# KiCad board KlusterLab r2.0.kicad_pcb (continued)
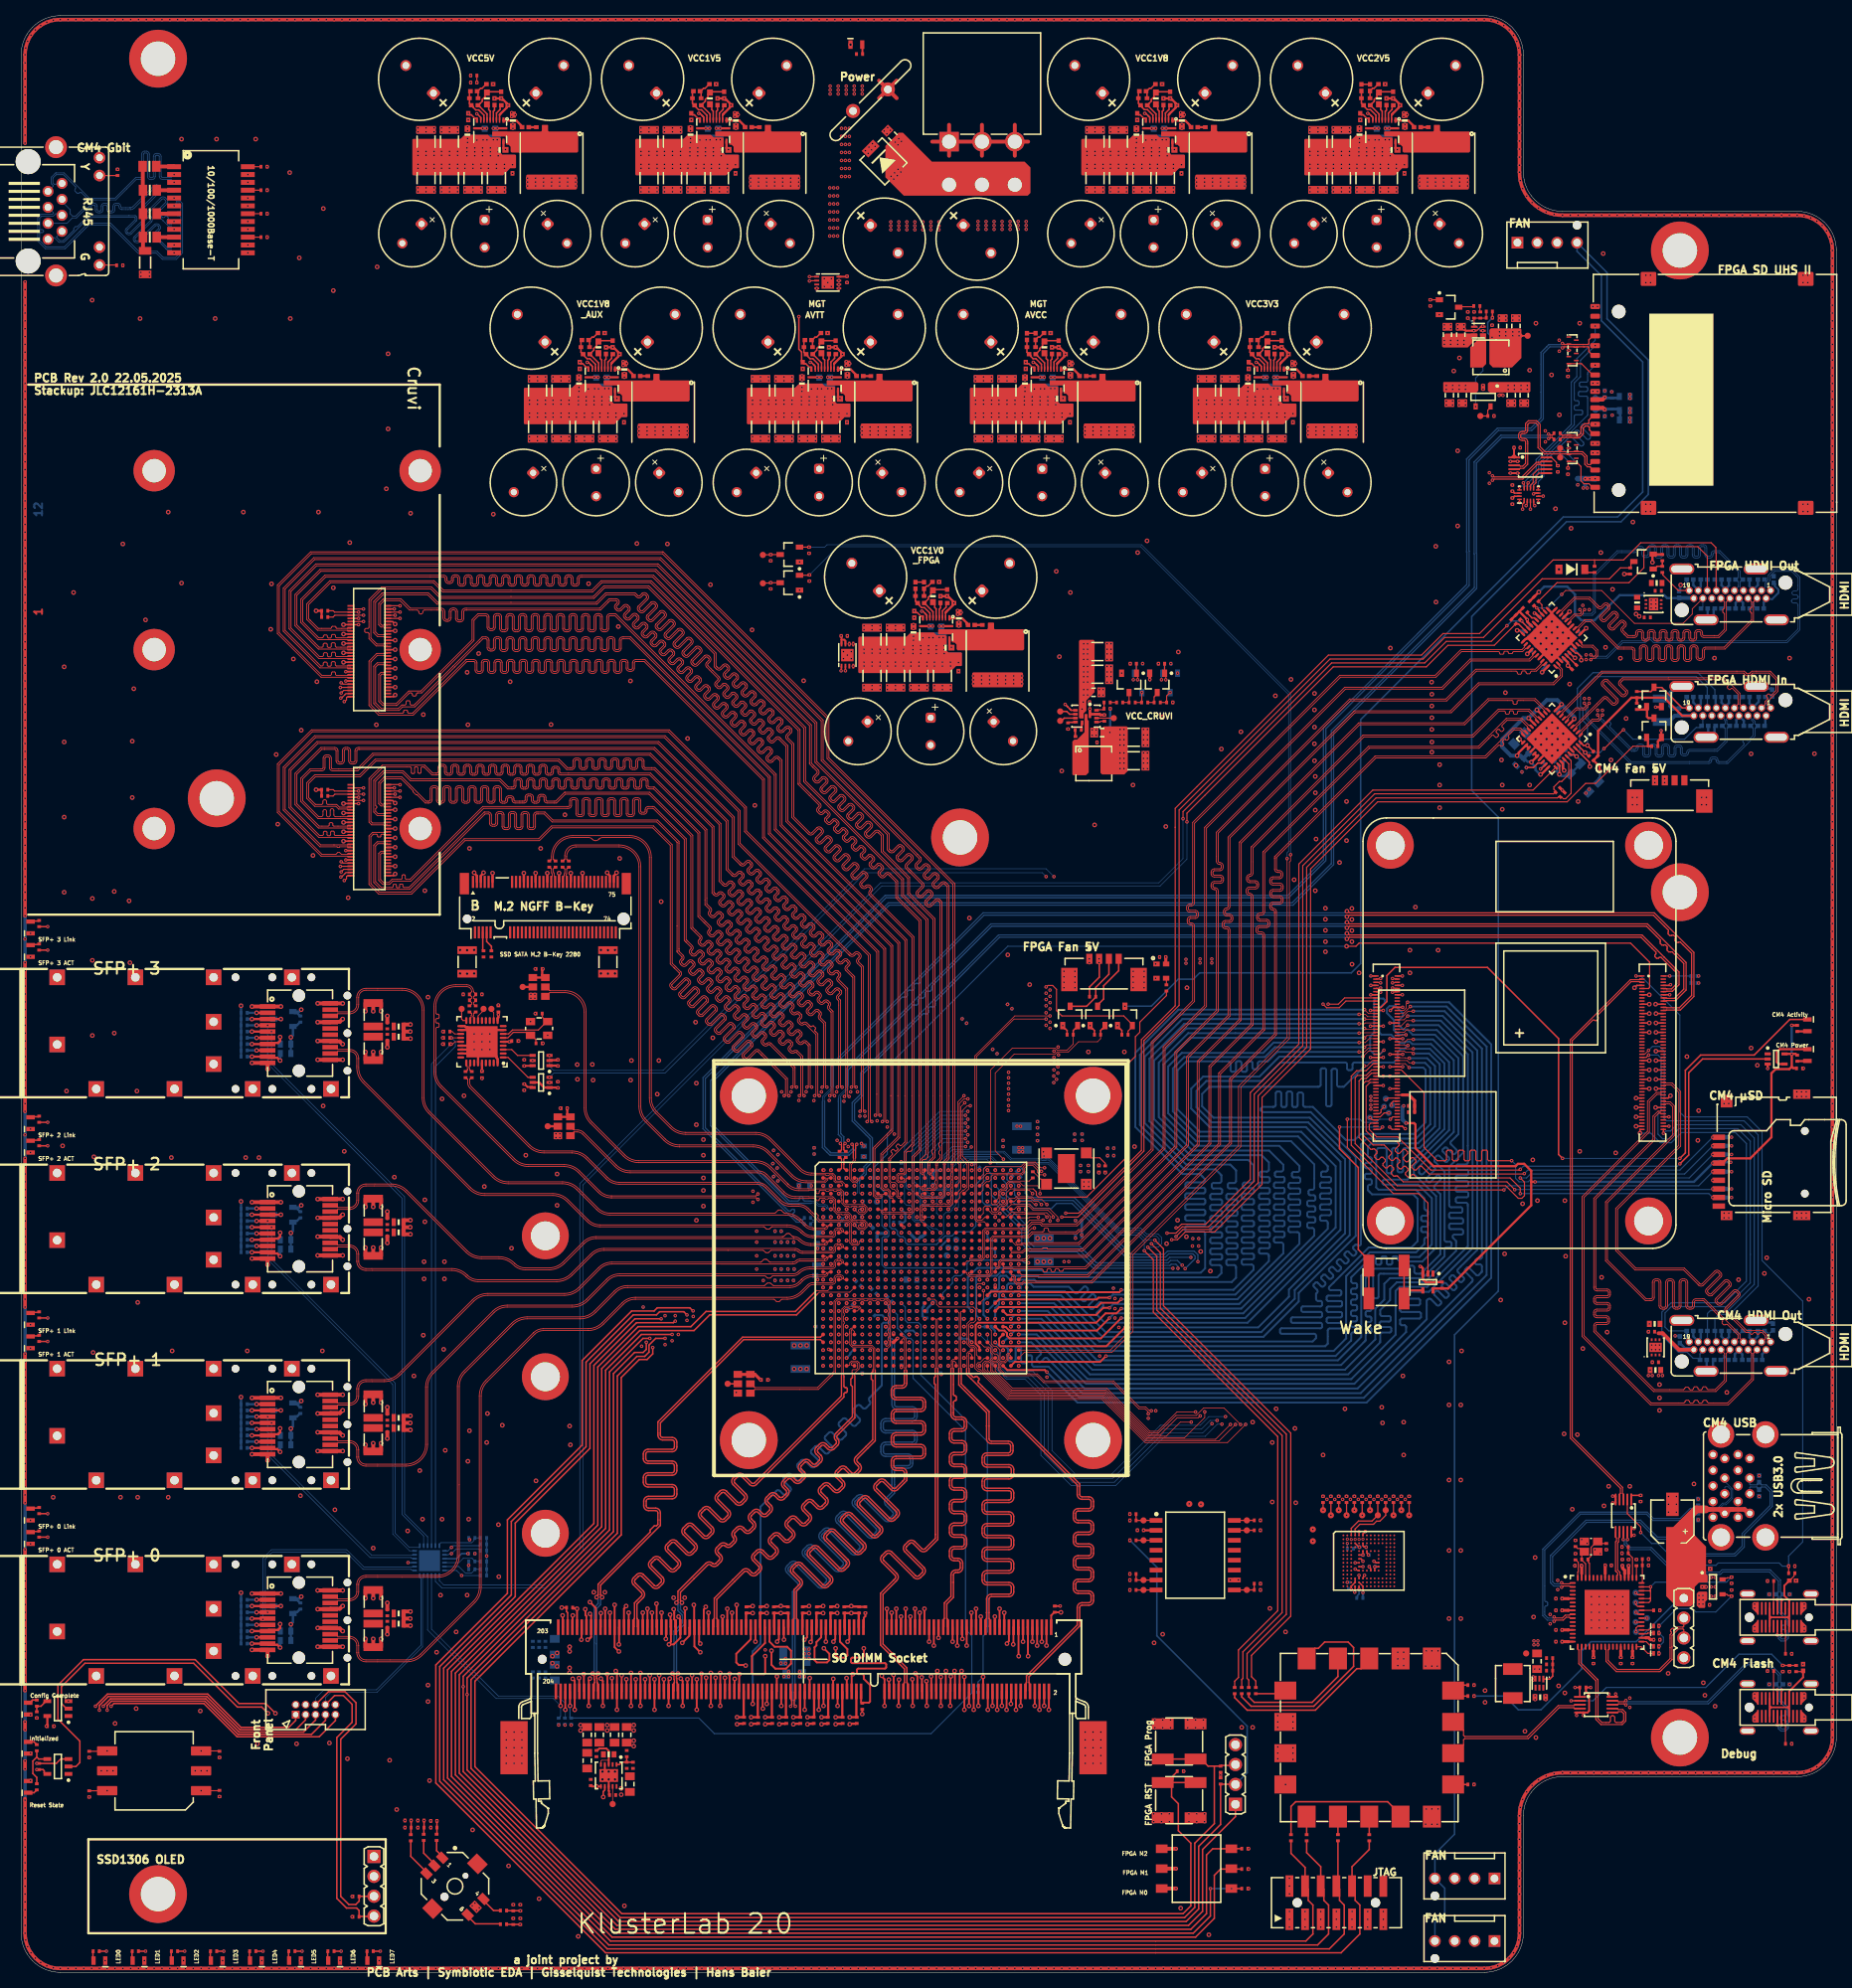
[diagram p0: board, top side]
## Placement (name value [footprint] x y rotation side) (continued)
C353  47µF 10V  [CAP_1210]  69 197.45 180 bottom
C354  47µF 10V  [CAP_1210]  66 197.45 180 bottom
C355  220nF 50V  [CAP_0603]  73.79 207.62 0 top
C356  470µF 16V  [WCAP-PTG5_D8H13]  64.2 190.35 45 top
C357  470µF 16V  [WCAP-PTG5_D8H13]  73.49 190.35 90 top
C358  470µF 16V  [WCAP-PTG5_D8H13]  82.78 190.35 135 top
C360  22µF 25V  [CAP_1210]  80.25 233.9 0 bottom
C361  22µF 25V  [CAP_1210]  83.25 233.9 0 bottom
C362  22µF 25V  [CAP_1210]  80.25 233.9 180 top
C363  22µF 25V  [CAP_1210]  83.25 233.9 180 top
C364  1µF 50V  [CAP_0603]  85.55 234.8 180 top
C365  1µF 50V  [CAP_0603]  87.75 234.8 0 bottom
C366  1µF 50V  [CAP_0603]  89.1 234.8 0 bottom
C367  1µF 50V  [CAP_0603]  91.35 236.6 0 top
C368  330µF 25V  [WCAP-PTG5_D10H12.5]  96.07 241.87 225 top
C369  330µF 25V  [WCAP-PTG5_D10H12.5]  79.43 241.87 315 top
C370  100nF 50V  [CAP_0402]  94.9 235.75 270 top
C371  100nF 50V  [CAP_0402]  91.3 230.4 0 top
C372  47µF 10V  [CAP_1210]  89.25 229.25 0 top
C373  47µF 10V  [CAP_1210]  86.25 229.25 0 top
C374  47µF 10V  [CAP_1210]  83.25 229.25 0 top
C375  47µF 10V  [CAP_1210]  80.25 229.25 0 top
C376  OPT  [CAP_0402]  86.35 239.45 270 top
C377  2.2µF 16V  [CAP_0603]  89.65 232.85 90 top
C378  47µF 10V  [CAP_1210]  89.25 229.25 180 bottom
C379  47µF 10V  [CAP_1210]  86.25 229.25 180 bottom
C380  47µF 10V  [CAP_1210]  83.25 229.25 180 bottom
C381  47µF 10V  [CAP_1210]  80.25 229.25 180 bottom
C382  220nF 50V  [CAP_0603]  88.04 239.43 0 top
C383  470µF 16V  [WCAP-PTG5_D8H13]  78.45 222.15 45 top
C384  470µF 16V  [WCAP-PTG5_D8H13]  87.74 222.15 90 top
C385  470µF 16V  [WCAP-PTG5_D8H13]  97.03 222.15 135 top
C387  22µF 25V  [CAP_1210]  94.5 202.1 0 bottom
C388  22µF 25V  [CAP_1210]  97.5 202.1 0 bottom
C389  22µF 25V  [CAP_1210]  94.5 202.1 180 top
C390  22µF 25V  [CAP_1210]  97.5 202.1 180 top
C391  1µF 50V  [CAP_0603#2]  99.8 203 180 top
C392  1µF 50V  [CAP_0603]  102 203 0 bottom
C393  1µF 50V  [CAP_0603]  103.4 203 0 bottom
C394  1µF 50V  [CAP_0603#2]  105.6 204.8 0 top
C395  330µF 25V  [WCAP-PTG5_D10H12.5]  110.32 210.07 225 top
C396  330µF 25V  [WCAP-PTG5_D10H12.5]  93.68 210.07 315 top
C397  100nF 50V  [CAP_0402]  109.15 203.95 270 top
C398  100nF 50V  [CAP_0402#2]  105.55 198.6 0 top
C399  47µF 10V  [CAP_1210]  103.5 197.45 0 top
C400  47µF 10V  [CAP_1210]  100.5 197.45 0 top
C401  47µF 10V  [CAP_1210]  97.5 197.45 0 top
C402  47µF 10V  [CAP_1210]  94.5 197.45 0 top
C403  OPT  [CAP_0402]  100.6 207.65 270 top
C404  2.2µF 16V  [CAP_0603]  103.9 201.05 90 top
C405  47µF 10V  [CAP_1210]  103.5 197.45 180 bottom
C406  47µF 10V  [CAP_1210]  100.5 197.45 180 bottom
C407  47µF 10V  [CAP_1210]  97.5 197.45 180 bottom
C408  47µF 10V  [CAP_1210]  94.5 197.45 180 bottom
C409  220nF 50V  [CAP_0603]  102.29 207.63 0 top
C410  470µF 16V  [WCAP-PTG5_D8H13#2]  92.7 190.35 45 top
C411  470µF 16V  [WCAP-PTG5_D8H13]  101.99 190.35 90 top
C412  470µF 16V  [WCAP-PTG5_D8H13]  111.28 190.35 135 top
C414  22µF 25V  [CAP_1210]  123 202.1 0 bottom
C415  22µF 25V  [CAP_1210]  126 202.1 0 bottom
C416  100nF 50V  [CAP_0402_L]  52.75 19.35 180 top
C417  100nF 50V  [CAP_0402_L]  49.45 19.4 180 top
C418  100nF 50V  [CAP_0402_L]  51.1 19.39 180 top
C419  100nF 50V  [CAP_0402_L]  63.8 8.25 90 top
C420  100nF 50V  [CAP_0402_L]  63.8 6.5 90 top
C421  1µF 35V  [CAP_0402_L]  110 87.5 0 bottom
C422  1µF 35V  [CAP_0402_L]  109.9 89.5 0 bottom
C423  22µF 25V  [CAP_1210]  123 202.1 180 top
C424  22µF 25V  [CAP_1210]  126 202.1 180 top
C425  1µF 50V  [CAP_0603]  128.3 203 180 top
C426  1µF 50V  [CAP_0603]  130.5 203 0 bottom
C427  1µF 50V  [CAP_0603]  131.85 203 0 bottom
C428  1µF 50V  [CAP_0603]  134.1 204.8 0 top
C429  330µF 25V  [WCAP-PTG5_D10H12.5]  138.82 210.07 225 top
C430  330µF 25V  [WCAP-PTG5_D10H12.5]  122.18 210.07 315 top
C431  100nF 50V  [CAP_0402]  137.65 203.95 270 top
C432  100nF 50V  [CAP_0402]  134.05 198.6 0 top
C433  47µF 10V  [CAP_1210]  132 197.45 0 top
C434  47µF 10V  [CAP_1210]  129 197.45 0 top
C435  47µF 10V  [CAP_1210]  126 197.45 0 top
C436  47µF 10V  [CAP_1210]  123 197.45 0 top
C437  OPT  [CAP_0402]  129.1 207.65 270 top
C438  2.2µF 16V  [CAP_0603]  132.4 201.05 90 top
C439  47µF 10V  [CAP_1210]  132 197.45 180 bottom
C440  47µF 10V  [CAP_1210]  129 197.45 180 bottom
C441  47µF 10V  [CAP_1210]  126 197.45 180 bottom
C442  47µF 10V  [CAP_1210]  123 197.45 180 bottom
C443  220nF 50V  [CAP_0603]  130.79 207.62 0 top
C444  470µF 16V  [WCAP-PTG5_D8H13]  121.2 190.35 45 top
C445  470µF 16V  [WCAP-PTG5_D8H13]  130.49 190.35 90 top
C446  470µF 16V  [WCAP-PTG5_D8H13]  139.78 190.35 135 top
C448  22µF 25V  [CAP_1210]  165.75 233.9 0 bottom
C449  22µF 25V  [CAP_1210]  168.75 233.9 0 bottom
C450  22µF 25V  [CAP_1210]  165.75 233.9 180 top
C451  22µF 25V  [CAP_1210]  168.75 233.9 180 top
C452  1µF 50V  [CAP_0603]  171.05 234.8 180 top
C453  1µF 50V  [CAP_0603#2]  173.25 234.8 0 bottom
C454  1µF 50V  [CAP_0603#2]  174.6 234.8 0 bottom
C455  1µF 50V  [CAP_0603]  176.85 236.6 0 top
C456  330µF 25V  [WCAP-PTG5_D10H12.5]  181.57 241.87 225 top
C457  330µF 25V  [WCAP-PTG5_D10H12.5]  164.93 241.87 315 top
C458  100nF 50V  [CAP_0402]  180.4 235.75 270 top
C459  100nF 50V  [CAP_0402]  176.8 230.4 0 top
C460  47µF 10V  [CAP_1210]  174.75 229.25 0 top
C461  47µF 10V  [CAP_1210]  171.75 229.25 0 top
C462  47µF 10V  [CAP_1210]  168.75 229.25 0 top
C463  47µF 10V  [CAP_1210]  165.75 229.25 0 top
C464  OPT  [CAP_0402]  171.85 239.45 270 top
C465  2.2µF 16V  [CAP_0603]  175.15 232.85 90 top
C466  47µF 10V  [CAP_1210]  174.75 229.25 180 bottom
C467  47µF 10V  [CAP_1210]  171.75 229.25 180 bottom
C468  47µF 10V  [CAP_1210]  168.75 229.25 180 bottom
C469  47µF 10V  [CAP_1210]  165.75 229.25 180 bottom
C470  220nF 50V  [CAP_0603]  173.54 239.43 0 top
C471  470µF 16V  [WCAP-PTG5_D8H13]  163.95 222.15 45 top
C472  470µF 16V  [WCAP-PTG5_D8H13]  173.24 222.15 90 top
C473  470µF 16V  [WCAP-PTG5_D8H13#2]  182.53 222.15 135 top
C475  22µF 25V  [CAP_1210]  151.5 202.1 0 bottom
C476  22µF 25V  [CAP_1210]  154.5 202.1 0 bottom
C477  22µF 25V  [CAP_1210]  151.5 202.1 180 top
C478  22µF 25V  [CAP_1210]  154.5 202.1 180 top
C479  1µF 50V  [CAP_0603]  156.8 203 180 top
C480  1µF 50V  [CAP_0603]  159 203 0 bottom
C481  1µF 50V  [CAP_0603]  160.35 203 0 bottom
C482  1µF 50V  [CAP_0603]  162.6 204.8 0 top
C483  330µF 25V  [WCAP-PTG5_D10H12.5]  167.32 210.07 225 top
C484  330µF 25V  [WCAP-PTG5_D10H12.5]  150.68 210.07 315 top
C485  100nF 50V  [CAP_0402]  166.15 203.95 270 top
C486  100nF 50V  [CAP_0402]  162.55 198.6 0 top
C487  47µF 10V  [CAP_1210]  160.5 197.45 0 top
C488  47µF 10V  [CAP_1210]  157.5 197.45 0 top
C489  47µF 10V  [CAP_1210]  154.5 197.45 0 top
C490  47µF 10V  [CAP_1210]  151.5 197.45 0 top
C491  OPT  [CAP_0402]  157.6 207.65 270 top
C492  2.2µF 16V  [CAP_0603]  160.9 201.05 90 top
C493  47µF 10V  [CAP_1210]  160.5 197.45 180 bottom
C494  47µF 10V  [CAP_1210]  157.5 197.45 180 bottom
C495  47µF 10V  [CAP_1210]  154.5 197.45 180 bottom
C496  47µF 10V  [CAP_1210]  151.5 197.45 180 bottom
C497  220nF 50V  [CAP_0603]  159.29 207.62 0 top
C498  470µF 16V  [WCAP-PTG5_D8H13]  149.7 190.35 45 top
C499  470µF 16V  [WCAP-PTG5_D8H13]  158.99 190.35 90 top
C500  470µF 16V  [WCAP-PTG5_D8H13]  168.28 190.35 135 top
C502  100nF 50V  [CAP_0402_L]  64.3 113.1 90 top
C503  100nF 50V  [CAP_0402_L]  68.6 113.4 270 top
C504  100nF 50V  [CAP_0402_L]  136.15 162.3 180 top
C505  1µF 50V  [CAP_0805]  137.05 163.55 270 top
C506  1µF 50V  [CAP_0805]  137.05 163.55 90 bottom
C507  22µF 25V  [CAP_1210]  137.55 165.85 270 top
C508  22µF 25V  [CAP_1210]  137.55 168.75 270 top
C509  22µF 25V  [CAP_1210]  137.55 168.75 90 bottom
C510  22µF 25V  [CAP_1210]  137.55 165.85 90 bottom
C511  100nF 50V  [CAP_0402_L]  135.1 158.75 0 top
C512  1µF 16V  [CAP_0402_L]  138.45 160.25 90 top
C513  100nF 50V  [CAP_0402_L]  137.9 157.15 0 top
C514  1µF 50V  [CAP_0805]  138.15 158.4 90 top
C515  1µF 50V  [CAP_0805]  138.15 158.4 270 bottom
C516  22µF 25V  [CAP_1210]  142.2 154.8 90 bottom
C517  22µF 25V  [CAP_1210]  142.2 154.8 270 top
C518  22µF 25V  [CAP_1210]  142.2 157.8 270 top
C519  22µF 25V  [CAP_1210]  142.2 157.8 90 bottom
C520  100nF 50V  [CAP_0402_L]  100.5 95.6 180 bottom
C521  100nF 50V  [CAP_0402_L]  100.5 96.4 180 bottom
C522  100nF 50V  [CAP_0402_L]  196.3 195.85 0 top
C523  100nF 50V  [CAP_0402_L]  196.3 196.65 0 top
C524  100nF 50V  [CAP_0402_L]  191.2 194.8 0 top
C525  100nF 50V  [CAP_0402_L]  190.59 187.98 270 top
C526  100nF 50V  [CAP_0402_L]  190.59 189.63 90 top
C527  100nF 50V  [CAP_0402_L]  198.95 190.45 270 bottom
C528  100nF 50V  [CAP_0402_L]  203.3 201.55 90 bottom
C529  100nF 50V  [CAP_0402_L]  203.35 199.35 270 bottom
C530  12pF 50V  [CAP_0402_L]  187.65 212.2 0 top
C531  22µF 16V  [CAP_0805]  182.3 209.25 0 top
C532  22µF 16V  [CAP_0805]  184 209.25 0 top
C533  100nF 50V  [CAP_0402_L]  188 210.06 90 top
C534  22µF 16V  [CAP_0805]  189.35 210.35 0 top
C535  22µF 16V  [CAP_0805]  191.05 210.35 0 top
C536  22µF 16V  [CAP_0805]  182.55 201.5 180 top
C537  22µF 16V  [CAP_0805]  184.2 201.5 180 top
C538  100nF 50V  [CAP_0402_L]  189.15 201.95 270 top
C539  22µF 16V  [CAP_0805]  190.45 201.5 180 top
C540  22µF 16V  [CAP_0805]  192.1 201.5 180 top
D1  LTST-S270KGKT  [LED-0603 Sideview]  228.3 121 270 top
D2  LTST-S270KRKT  [LED-0603 Sideview]  228.3 117.2 270 top
D3  CESDP0402UC5VB  [TVS_0402]  212 80.83 90 bottom
D4  CESDP0402UC5VB  [TVS_0402]  223.9 82.45 270 bottom
D5  CESDP0402UC5VB  [TVS_0402]  222.4 81.95 0 bottom
D6  CESDP0402UC5VB  [TVS_0402]  222.1 78.25 180 bottom
D7  CESDP0402UC5VB  [TVS_0402]  220.4 78.25 0 bottom
D8  CESDP0402UC5VB  [TVS_0402]  220.47 81.95 180 bottom
D9  CESDP0402UC5VB  [TVS_0402]  218.7 81.95 0 bottom
D10  CESDP0402UC5VB  [TVS_0402]  218.6 78.25 180 bottom
D11  CESDP0402UC5VB  [TVS_0402]  216.8 78.25 0 bottom
D12  CESDP0402UC5VB  [TVS_0402]  216.9 81.95 180 bottom
D13  CESDP0402UC5VB  [TVS_0402]  215.1 81.95 0 bottom
D14  CESDP0402UC5VB  [TVS_0402]  215 78.25 180 bottom
D15  CESDP0402UC5VB  [TVS_0402]  213.3 81.95 180 bottom
D16  CESDP0402UC5VB  [TVS_0402]  217.4 100.1 180 bottom
D17  CESDP0402UC5VB  [TVS_0402]  217.4 99 180 bottom
D18  CESDP0402UC5VB  [TVS_0402]  217.4 106.7 180 bottom
D19  CESDP0402UC5VB  [TVS_0402]  217.4 105.6 180 bottom
D20  CESDP0402UC5VB  [TVS_0402]  217.4 102.3 180 bottom
D21  CESDP0402UC5VB  [TVS_0402]  217.4 104.5 180 bottom
D22  CESDP0402UC5VB  [TVS_0402]  227.75 38.95 90 top
D23  CESDP0402UC5VB  [TVS_0402]  215.45 51.55 180 top
D24  CESDP0402UC5VB  [TVS_0402]  225.6 36.8 0 bottom
D25  CESDP0402UC5VB  [TVS_0402]  223.85 36.8 180 bottom
D26  CESDP0402UC5VB  [TVS_0402]  222.13 61.25 90 bottom
D27  CESDP0402UC5VB  [TVS_0402]  222.13 63.05 270 bottom
D28  CESDP0402UC5VB  [TVS_0402]  214.33 60.05 270 bottom
D29  LTST-S270KRKT  [LED-0603 Sideview]  0.9 23.7 90 top
D30  LTST-S270KGKT  [LED-0603 Sideview]  0.9 28.7 90 top
D31  LTST-S270TBKT  [LED-0603 Sideview]  0.9 33.7 90 top
D32  824014883  [WE-TVS-DFN3810-9L]  198.28 207.24 0 top
D33  CESDP0402UC5VB  [TVS_0402]  202.4 199.25 270 bottom
D34  CESDP0402UC5VB  [TVS_0402]  202.4 201.65 90 bottom
D35  CESDP0402UC5VB  [TVS_0402]  224 177.95 90 bottom
D36  CESDP0402UC5VB  [TVS_0402]  222.4 177.95 0 bottom
D37  BAT54GWJ  [SOD123]  198.2 179.25 180 top
D38  CESDP0402UC5VB  [TVS_0402]  222.3 174.25 180 bottom
D39  CESDP0402UC5VB  [TVS_0402]  220.5 174.25 0 bottom
D40  CESDP0402UC5VB  [TVS_0402]  220.47 177.95 180 bottom
D41  CESDP0402UC5VB  [TVS_0402]  218.7 177.95 0 bottom
D42  CESDP0402UC5VB  [TVS_0402]  218.7 174.25 180 bottom
D43  CESDP0402UC5VB  [TVS_0402]  216.9 174.25 0 bottom
D44  CESDP0402UC5VB  [TVS_0402]  216.9 177.95 180 bottom
D45  CESDP0402UC5VB  [TVS_0402]  215.1 177.95 0 bottom
D46  CESDP0402UC5VB  [TVS_0402]  215.12 174.25 180 bottom
D47  CESDP0402UC5VB  [TVS_0402]  213.3 177.95 180 bottom
D48  CESDP0402UC5VB  [TVS_0402]  211.9 176.05 90 bottom
D49  BAT54GWJ  [SOD123#2]  200.46 153.23 315 bottom
D50  BAT54GWJ  [SOD123#2]  199.19 151.96 315 bottom
D51  CESDP0402UC5VB  [TVS_0402]  211.9 161.05 270 bottom
D52  CESDP0402UC5VB  [TVS_0402]  223.8 163.45 270 bottom
D53  CESDP0402UC5VB  [TVS_0402]  222.5 162.95 0 bottom
D54  CESDP0402UC5VB  [TVS_0402]  222.4 159.25 180 bottom
D55  CESDP0402UC5VB  [TVS_0402]  220.6 159.25 0 bottom
D56  CESDP0402UC5VB  [TVS_0402]  220.47 162.95 180 bottom
D57  CESDP0402UC5VB  [TVS_0402]  218.7 162.95 0 bottom
D58  CESDP0402UC5VB  [TVS_0402]  218.8 159.25 180 bottom
D59  CESDP0402UC5VB  [TVS_0402]  217 159.25 0 bottom
D60  CESDP0402UC5VB  [TVS_0402]  216.9 162.95 180 bottom
D61  CESDP0402UC5VB  [TVS_0402]  215.1 162.95 0 bottom
D62  CESDP0402UC5VB  [TVS_0402]  215.2 159.25 180 bottom
D63  CESDP0402UC5VB  [TVS_0402]  213.3 162.95 180 bottom
D64  LTST-S270KRKT  [LED-0603 Sideview]  10 1.5 180 top
D65  LTST-S270KRKT  [LED-0603 Sideview]  15 1.5 180 top
D66  LTST-S270KRKT  [LED-0603 Sideview]  20 1.5 180 top
D67  LTST-S270KRKT  [LED-0603 Sideview]  25 1.5 180 top
D68  LTST-S270KRKT  [LED-0603 Sideview]  30 1.5 180 top
D69  LTST-S270KRKT  [LED-0603 Sideview]  35 1.5 180 top
D70  LTST-S270KRKT  [LED-0603 Sideview]  40 1.5 180 top
D71  LTST-S270KRKT  [LED-0603 Sideview]  45 1.5 180 top
D72  SMB15F18A  [DO221-AA]  110.22 231.38 315 top
D73  LTST-S270TBKT  [LED-0603 Sideview]  106.75 246.3 0 top
D74  CESDP0402UC5VB  [TVS_0402]  214.33 58.25 90 bottom
D75  CESDP0402UC5VB  [TVS_0402]  226.43 50.05 0 top
D76  CESDP0402UC5VB  [TVS_0402]  225.6 48.3 0 bottom
D77  RB160QS-40  [SOD-882]  208.98 44.25 90 top
D78  RB160QS-40  [SOD-882]  208.98 43.35 90 top
D79  RB160QS-40  [SOD-882]  208.98 41.65 90 top
D80  RB160QS-40  [SOD-882]  208.98 40.75 90 top
D81  CESDP0402UC5VB  [TVS_0402]  223.85 48.3 180 bottom
D82  CESDP0402UC5VB  [TVS_0402]  199.9 190.4 270 bottom
D83  824014883  [WE-TVS-DFN3810-9L]  198.28 194.75 0 top
D138  LTST-S270KGKT  [LED-0603 Sideview]  1.2 58.5 90 top
D139  LTST-S270KFKT  [LED-0603 Sideview]  1.2 55.5 90 top
D140  LTST-S270KGKT  [LED-0603 Sideview#2]  1.2 83.5 90 top
D141  LTST-S270KFKT  [LED-0603 Sideview#2]  1.2 80.5 90 top
D142  LTST-S270KGKT  [LED-0603 Sideview]  1.2 108.5 90 top
D143  LTST-S270KFKT  [LED-0603 Sideview#2]  1.2 105.5 90 top
D144  LTST-S270KGKT  [LED-0603 Sideview]  1.2 133.5 90 top
D145  LTST-S270KFKT  [LED-0603 Sideview]  1.2 130.5 90 top
F1  0ZRB0400FF1A  [0ZRB0400FF]  108.55 239.2 225 top
H1  -  [9774065151R]  67 56.1 270 top
H2  -  [9774030151R]  175 96 0 top
H3  -  [9774030151R]  208 96 0 top
H4  -  [9774030151R]  175 144 0 top
H5  -  [9774030151R]  208 144 0 top
H6  -  [9774070360R]  25 150 180 bottom
H7  -  [9774070360R]  212 220 180 bottom
H8  -  [9774070360R]  17.5 244.5 180 bottom
H9  -  [9774070360R]  212 30 180 bottom
H10  -  [9774050243R]  51 169 180 top
H11  -  [9774050243R]  51 146.14 180 top
H12  -  [9774050243R]  17 146.14 0 top
H13  -  [9774050243R]  17 169 0 top
H14  -  [9774050243R]  51 191.86 0 top
H15  -  [9774050243R]  17 191.86 0 top
H16  -  [9774020360R]  137 112 0 top
H17  -  [9774020360R]  93 112 0 top
H18  -  [9774020360R]  137 68 0 top
H19  -  [9774020360R]  93 68 0 top
H20  -  [9774065151R]  67 76.1 0 top
H21  -  [9774065151R]  67 94.1 0 top
H22  -  [9774070360R]  212 138 180 bottom
H23  -  [9774070360R]  120 145 180 bottom
H24  -  [9774070360R]  17.5 10 180 bottom
HS1  Heatsink Assembly 52.65x52.65x24.5mm  [ATS-61500W-C2-R0]  114.9 89.75 0 top
J1  -  [2-2013310-1]  100 40 0 top
J2  -  [74441-0010]  35.5 45 270 top
J3  -  [74441-0010]  35.5 70 270 top
J4  -  [74441-0010]  35.5 95 270 top
J5  -  [74441-0010]  35.5 120 270 top
J6  APCI0161  [APCI0161-P001A]  67 136.1 0 top
J7  Hirose Hirose DF40HC(3.0)-100DS-0.4V  [Hirose DF40HC(3.0)-100DS-0.4V_1-100]  174.5 117.5 270 top
J8  Hirose DF40HC(3.0)-100DS-0.4V PiMC4 Pin 101-200  [Hirose DF40HC(3.0)-100DS-0.4V_101-200]  208.5 117.5 270 top
J9  -  [UEA1112C-8FS6-4F]  222.93 62.15 90 top
J10  53398-0476  [Molex 53398-0476]  210.7 150.4 180 top
J11  EB-500-6007  [Elecbee EB-500-6007#2]  218.4 80.05 0 top
J12  -  [TF-115]  224.48 104.45 90 top
J13  USB4200-03-A  [GCT_USB4200-03-A#2]  224.7 33.86 90 top
J14  USB4200-03-A  [GCT_USB4200-03-A]  224.7 45.36 90 top
J15  4-Pin THT Pin header  [61300411121]  212.5 43.99 270 top
J16  53398-0476  [Molex 53398-0476]  138.4 127.6 180 top
J17  4-Pin THT Pin header  [61300411121]  155.2 25.28 90 top
J18  Box Pinheader, 14 Pin, THT, Straight  [87832-1420]  168.1 8.9 0 top
J19  Amphenol / GSD2100107BHR / SD-Card UHS-II / Side Entry / Push-Push  [Amphenol_GSD2100107BHR]  218.04 201.74 90 top
J21  -  [SS4-30-3.50-L-D-K-TR]  44.5 169 90 top
J23  EB-500-6007  [Elecbee EB-500-6007]  218.4 176.05 0 top
J24  EB-500-6007  [Elecbee EB-500-6007#3]  218.4 161.05 0 top
J25  4-Pin THT Pin header  [61300411121]  45.1 11 270 top
J26  87427-0602  [Molex 87427-0602]  122.8 236.95 270 top
J27  -  [SS4-30-3.50-L-D-K-TR]  44.5 146.14 90 top
J28  Pinheader, 10 Pin, THT, Straight  [62701021621]  37.63 33.57 180 top
J29  -  [PINREX 744-81-04TG20]  184.5 12 0 top
J30  -  [PINREX 744-81-04TG20]  184.5 4 0 top
J31  -  [PINREX 744-81-04TG20]  195.05 221 180 top
J34  R-RJ45R08P-C000  [Ckmtw - R-RJ45R08P-C000]  3.15 225 270 top
L1  BLM18SG121TN1D  [L_0603]  48.25 44.55 90 top
L2  BLM18SG121TN1D  [L_0603]  48.25 45.85 90 top
L3  BLM18SG121TN1D  [L_0603]  48.25 69.55 90 top
L4  BLM18SG121TN1D  [L_0603]  48.25 70.85 90 top
L5  BLM18SG121TN1D  [L_0603]  48.25 94.55 90 top
L6  BLM18SG121TN1D  [L_0603]  48.25 95.85 90 top
L7  BLM18SG121TN1D  [L_0603]  48.25 119.55 90 top
L8  BLM18SG121TN1D  [L_0603]  48.25 120.85 90 top
L9  FXL0420-1R0-M  [FXL0420-1R0-M#2]  190.65 36.9 270 top
L10  XAL7070-801MEC  [COILCRAFT_XAL7070]  124.8 167.55 270 top
L11  XAL7070-801MEC  [COILCRAFT_XAL7070]  67.8 231.15 270 top
L12  XAL7070-801MEC  [COILCRAFT_XAL7070]  153.3 231.15 270 top
L13  BLM18SG121TN1D  [L_0603]  191.5 154.65 135 bottom
L14  XAL7070-801MEC  [COILCRAFT_XAL7070]  82.05 199.35 270 top
L15  XAL7070-801MEC  [COILCRAFT_XAL7070]  96.3 231.15 270 top
L16  XAL7070-801MEC  [COILCRAFT_XAL7070]  110.55 199.35 270 top
L17  XAL7070-801MEC  [COILCRAFT_XAL7070]  139.05 199.35 270 top
L18  XAL7070-801MEC  [COILCRAFT_XAL7070]  181.8 231.15 270 top
L19  XAL7070-801MEC  [COILCRAFT_XAL7070]  167.55 199.35 270 top
L20  FXL0420-1R0-M  [FXL0420-1R0-M#2]  137.1 154.45 0 top
L21  -  [FXL0420-1R0-M]  187.85 206.35 180 top
M1  -  [2007198-1]  35.5 45 270 top
M2  2007198-1  [2007198-1#2]  35.5 70 270 top
M3  2007198-1  [2007198-1#3]  35.5 95 270 top
M4  2007198-1  [2007198-1#3]  35.5 120 270 top
NT1  Net Tie  [Net Tie-0.3]  158.14 205.57 135 top
NT2  Net Tie  [Net Tie-0.3]  172.39 237.37 135 top
NT3  Net Tie  [Net Tie-0.3]  143.89 237.37 135 top
NT4  Net Tie  [Net Tie-0.3]  72.64 205.57 135 top
NT5  Net Tie  [Net Tie-0.3]  86.89 237.37 135 top
NT6  Net Tie  [Net Tie-0.3]  101.14 205.57 135 top
NT7  Net Tie  [Net Tie-0.3]  129.64 205.57 135 top
NT8  Net Tie  [Net Tie-0.3]  115.39 173.77 135 top
NT9  Net Tie  [Net Tie-0.3]  133.9 161.55 135 top
PC1  RPiCM4  [RASPBERRYPI_CM4]  191.5 120 90 top
Q1  RUC002N05T116  [SOT95P251X112-3N]  33.5 46.8 180 bottom
Q2  RUC002N05T116  [SOT95P251X112-3N#2]  33.5 71.8 180 bottom
Q3  RUC002N05T116  [SOT95P251X112-3N#2]  33.5 96.8 180 bottom
Q4  RUC002N05T116  [SOT95P251X112-3N]  33.5 121.8 180 bottom
Q5  RUC002N05T116  [SOT95P251X112-3N#2]  98.25 177.55 180 top
Q6  RUC002N05T116  [SOT95P251X112-3N]  98.25 181.15 180 top
Q7  RUC002N05T116  [SOT95P251X112-3N#2]  134.08 122.2 90 top
Q8  RUC002N05T116  [SOT95P251X112-3N#2]  137.58 122.2 90 top
Q9  2N7002NXAKR  [SOT95P251X112-3N]  207.36 180.25 180 top
Q10  2N7002NXAKR  [SOT95P251X112-3N]  208.7 159.02 90 top
Q11  2N7002NXAKR  [SOT95P251X112-3N]  208.7 162.95 90 top
Q12  RUC002N05T116  [SOT95P251X112-3N]  141.08 122.2 90 top
Q13  RUC002N05T116  [SOT95P251X112-3N]  141.6 164.75 270 top
Q14  RUC002N05T116  [SOT95P251X112-3N#2]  143.25 164.75 270 bottom
Q15  RUC002N05T116  [SOT95P251X112-3N]  145.2 164.75 270 top
Q16  RUC002N05T116  [SOT95P251X112-3N]  146.85 164.75 270 bottom
Q17  RUC002N05T116  [SOT95P251X112-3N]  182.5 212.75 0 top
R1  80.6R 1%  [RES_0402_L]  114 84.5 180 bottom
R2  1.07k 1%  [RES_0402_L]  77.4 27.95 270 top
R3  80.6R 1%  [RES_0402_L]  115 85.5 0 bottom
R4  1.07k 1%  [RES_0402_L]  77.4 26.45 90 top
R5  80.6R 1%  [RES_0402_L]  113.5 86 90 bottom
R6  80.6R 1%  [RES_0402_L]  111 86 315 bottom
R7  80.6R 1%  [RES_0402_L]  109 87 315 bottom
R8  80.6R 1%  [RES_0402_L]  105 86.5 180 bottom
R9  100R 1%  [RES_0402_L]  110.5 80 90 bottom
R10  4.7k 1%  [RES_0402_L]  107.9 46.3 270 top
R11  4.7k 1%  [RES_0402_L]  107.5 34 90 top
R12  4.7k 1%  [RES_0402_L]  69.5 32.1 270 bottom
R13  4.7k 1%  [RES_0402_L]  68.7 32.1 270 bottom
R14  4.7k 1%  [RES_0402_L]  70.3 32.1 270 bottom
R15  4.7k 1%  [RES_0402_L]  122.3 36.2 270 bottom
R16  100R 1%  [RES_0402_L]  107 91.5 180 bottom
R17  100R 1%  [RES_0402_L]  107 93.5 180 bottom
R18  100R 1%  [RES_0402_L]  107 97.5 180 bottom
R19  100R 1%  [RES_0402_L]  107 95.5 180 bottom
R20  4.7k 1%  [RES_0402_L]  28.5 47.6 180 bottom
R21  4.7k 1%  [RES_0402_L]  28.5 46.8 180 bottom
R22  4.7k 1%  [RES_0402_L]  28.5 46 180 bottom
R23  4.7k 1%  [RES_0402_L]  28.5 45.2 180 bottom
R24  4.7k 1%  [RES_0402_L]  28.5 44.4 180 bottom
R25  4.7k 1%  [RES_0402_L]  28.5 43.6 180 bottom
R26  0R Jumper  [RES_0603_L]  33.8 43.6 0 bottom
R27  0R Jumper  [RES_0603_L]  33.8 42.4 0 bottom
R28  4.7k 1%  [RES_0402_L]  35.7 46.8 90 bottom
R29  4.7k 1%  [RES_0402_L]  28.5 42 180 bottom
R30  4.7k 1%  [RES_0402_L]  28.5 42.8 180 bottom
R31  4.7k 1%  [RES_0402_L]  28.5 72.6 180 bottom
R32  4.7k 1%  [RES_0402_L]  28.5 71.8 180 bottom
R33  4.7k 1%  [RES_0402_L]  28.5 71 180 bottom
R34  4.7k 1%  [RES_0402_L]  28.5 70.2 180 bottom
R35  4.7k 1%  [RES_0402_L]  28.5 69.4 180 bottom
R36  4.7k 1%  [RES_0402_L]  28.5 68.6 180 bottom
R37  0R Jumper  [RES_0603_L]  33.8 68.6 0 bottom
R38  0R Jumper  [RES_0603_L]  33.8 67.4 0 bottom
R39  4.7k 1%  [RES_0402_L]  35.7 71.8 90 bottom
R40  4.7k 1%  [RES_0402_L]  28.5 67 180 bottom
R41  4.7k 1%  [RES_0402_L]  28.5 67.8 180 bottom
R42  4.7k 1%  [RES_0402_L]  28.5 97.6 180 bottom
R43  4.7k 1%  [RES_0402_L]  28.5 96.8 180 bottom
R44  4.7k 1%  [RES_0402_L]  28.5 96 180 bottom
R45  4.7k 1%  [RES_0402_L]  28.5 95.2 180 bottom
R46  4.7k 1%  [RES_0402_L]  28.5 94.4 180 bottom
R47  4.7k 1%  [RES_0402_L]  28.5 93.6 180 bottom
R48  0R Jumper  [RES_0603_L]  33.8 93.6 0 bottom
R49  0R Jumper  [RES_0603_L]  33.8 92.4 0 bottom
R50  4.7k 1%  [RES_0402_L]  35.7 96.8 90 bottom
R51  4.7k 1%  [RES_0402_L]  28.5 92 180 bottom
R52  4.7k 1%  [RES_0402_L]  28.5 92.8 180 bottom
R53  4.7k 1%  [RES_0402_L]  28.5 122.6 180 bottom
R54  4.7k 1%  [RES_0402_L]  28.5 121.8 180 bottom
R55  4.7k 1%  [RES_0402_L]  28.5 121 180 bottom
R56  4.7k 1%  [RES_0402_L]  28.5 120.2 180 bottom
R57  4.7k 1%  [RES_0402_L]  28.5 119.4 180 bottom
R58  4.7k 1%  [RES_0402_L]  28.5 118.6 180 bottom
R59  0R Jumper  [RES_0603_L]  33.8 118.6 0 bottom
R60  0R Jumper  [RES_0603_L]  33.8 117.4 0 bottom
R61  4.7k 1%  [RES_0402_L]  35.7 121.8 90 bottom
R62  4.7k 1%  [RES_0402_L]  28.5 117 180 bottom
R63  4.7k 1%  [RES_0402_L]  28.5 117.8 180 bottom
R64  47k 1%  [RES_0402_L]  59.1 130.13 90 top
R65  47k 1%  [RES_0402_L]  60.1 130.13 90 top
R66  0R Jumper  [RES_0402_L]  177.7 110.7 0 top
R67  0R Jumper  [RES_0402_L]  177.7 109.9 0 top
R68  10k 1%  [RES_0402_L]  207.6 52.8 180 top
R69  0R Jumper  [RES_0402_L]  213.8 127.3 0 bottom
R70  0R Jumper  [RES_0402_L]  213.8 126.4 0 bottom
R71  1k 1%  [RES_0402_L]  227 120.6 90 top
R72  1k 1%  [RES_0402_L]  227 116.8 90 top
R73  90.9k 1%  [RES_0402_L]  207.6 52 0 top
R74  10k 1%  [RES_0402_L]  209.05 46.25 180 top
R75  10k 1%  [RES_0402_L]  205 53.55 180 top
R76  75R 1%  [RES_0805]  16.45 221.7 180 top
R77  75R 1%  [RES_0805]  16.45 224.7 180 top
R78  9.53k 1%  [RES_0402_L]  198.65 53.1 270 top
R79  15k 1%  [RES_0402_L]  195.35 40.15 180 top
R80  10k 1%  [RES_0402_L]  206.45 52.35 270 top
R81  18k 1%  [RES_0402_L]  195.35 38.55 0 top
R82  1M 1%  [RES_0402_L]  199.85 52.75 180 top
R83  5.62k 1%  [RES_0402_L]  226.86 38.82 90 top
R84  10k 1%  [RES_0402_L]  225.16 38.82 90 top
R85  5.1k 1%  [RES_0402_L]  223.6 38.5 0 top
R86  4.7k 1%  [RES_0402_L]  218.6 48.45 270 top
R87  1.6k 1%  [RES_0402_L]  95.8 177.15 270 top
R88  1.6k 1%  [RES_0402_L]  100.75 178.15 270 top
R89  1.6k 1%  [RES_0402_L]  95.8 180.74 270 top
R90  1.6k 1%  [RES_0402_L]  100.7 181.7 270 top
R91  10k 1%  [RES_0402_L]  134.08 119.8 180 top
R92  10k 1%  [RES_0402_L]  136.95 124.65 180 top
R93  10k 1%  [RES_0402_L]  137.58 119.8 180 top
R94  4.7k 1%  [RES_0402_L]  153.3 24.45 270 top
R95  4.7k 1%  [RES_0402_L]  153.3 25.95 90 top
R96  0R Jumper  [RES_0402_L]  185.3 24 180 top
R97  22R 1%  [RES_0402_L]  164.3 17.2 90 top
R98  4.7k 1%  [RES_0402_L]  185.3 35.3 0 top
R99  22R 1%  [RES_0402_L]  168.3 17.21 90 top
R100  22R 1%  [RES_0402_L]  172.3 17.2 90 top
R101  22R 1%  [RES_0402_L]  162.3 17.2 90 top
R102  10k 1%  [RES_0402_L]  185.3 36.7 180 top
R103  0R Jumper  [RES_0402_L]  138.55 102.64 90 top
R104  0R Jumper  [RES_0402_L]  129.3 101.9 270 top
R105  4.7k 1%  [RES_0402_L]  148.15 25.7 180 top
R106  270R 1%  [RES_0402_L]  2 23.7 270 top
R107  360R 1%  [RES_0402_L]  2 32.9 270 top
R108  270R 1%  [RES_0402_L]  2 28.7 90 top
R109  100R 1%  [RES_0402_L]  2 34.4 270 top
R110  1k 1%  [RES_0402_L]  156.4 15.8 180 top
R111  1k 1%  [RES_0402_L]  156.4 13.2 180 top
R112  1k 1%  [RES_0402_L]  156.4 10.7 180 top
R113  1k 1%  [RES_0402_L]  155.1 36 90 top
R114  1k 1%  [RES_0402_L]  156.9 36 90 top
R115  1k 1%  [RES_0402_L]  156 36 90 top
R116  1k 1%  [RES_0402_L]  157.8 36 90 top
R117  49.9R 1%  [RES_0402_L]  128 101.92 45 bottom
R118  0R Jumper  [RES_0402_L]  142.1 55.2 180 top
R119  0R Jumper  [RES_0402_L]  173.4 60.43 270 top
R120  0R Jumper  [RES_0402_L]  174.4 60.43 270 top
R121  0R Jumper  [RES_0402_L]  172.4 60.43 270 top
R122  0R Jumper  [RES_0402_L]  175.4 60.43 270 top
R123  0R Jumper  [RES_0402_L]  171.4 60.43 270 top
R124  0R Jumper  [RES_0402_L]  176.4 60.43 270 top
R125  0R Jumper  [RES_0402_L]  170.4 60.43 270 top
R126  0R Jumper  [RES_0402_L]  177.4 60.43 270 top
R127  0R Jumper  [RES_0402_L]  166.4 60.43 270 top
R128  0R Jumper  [RES_0402_L]  167.4 60.43 270 top
R129  0R Jumper  [RES_0402_L]  169.4 60.43 270 top
R130  0R Jumper  [RES_0402_L]  168.4 60.43 270 top
R131  75R 1%  [RES_0805]  16.45 227.7 180 top
R132  5.1k 1%  [RES_0402_L]  225.9 29.2 180 top
R133  4.7k 1%  [RES_0402_L]  218.6 50.1 90 top
R134  2.2k 1%  [RES_0402_L]  226.3 51 180 top
R135  2.2k 1%  [RES_0402_L]  226.3 51.9 180 top
R136  5.1k 1%  [RES_0402_L]  223.6 50 0 top
R137  110R 1%  [RES_0402_L]  12.33 229.98 270 top
R138  5.1k 1%  [RES_0402_L]  225.9 40.7 180 top
R139  4.7k 1%  [RES_0402_L]  142.1 50.9 180 top
R140  4.7k 1%  [RES_0402_L]  142.1 58.55 180 top
R141  4.7k 1%  [RES_0402_L]  158 49.66 0 top
R142  0R Jumper  [RES_0402_L]  158 56.48 180 top
R143  0R Jumper  [RES_0402_L]  142.1 48.85 0 top
R144  0R Jumper  [RES_0402_L]  158 48.86 180 top
R145  0R Jumper  [RES_0402_L]  142.1 57.74 0 top
R146  0R Jumper  [RES_0402_L]  158 57.75 180 top
R147  0R Jumper  [RES_0402_L]  142.1 50.12 0 top
R148  0R Jumper  [RES_0402_L]  146.38 125.78 270 top
R149  110R 1%  [RES_0402_L]  12.6 218.1 180 top
R150  75R 1%  [RES_0805]  16.4 230.75 180 top
R151  30.1k 1%  [RES_0402_L]  201.1 179.25 90 top
R152  4.64k 1%  [RES_0402_L]  192.43 171.01 135 bottom
R153  1.6k 1%  [RES_0402_L]  193.64 175.46 135 top
R154  1.6k 1%  [RES_0402_L]  193.07 174.9 135 top
R155  10k 1%  [RES_0402_L]  205.66 179.05 270 top
R156  10k 1%  [RES_0402_L]  198.16 169.38 315 bottom
R157  10k 1%  [RES_0402_L]  197.6 168.82 315 bottom
R158  1.6k 1%  [RES_0402_L]  190.74 172.56 315 top
R159  1.6k 1%  [RES_0402_L]  191.3 173.13 315 top
R160  10k 1%  [RES_0402_L]  198.5 166.75 45 top
R161  100k 1%  [RES_0402_L]  209.76 180.75 270 top
R162  100k 1%  [RES_0402_L]  209.76 179.25 270 top
R163  10k 1%  [RES_0402_L]  192.22 174.05 315 top
R164  47k 1%  [RES_0402_L]  192.1 153.65 45 bottom
R165  47k 1%  [RES_0402_L]  195.01 154.71 225 bottom
R166  47k 1%  [RES_0402_L]  201.24 155.7 315 top
R167  47k 1%  [RES_0402_L]  200.67 155.14 315 top
R168  1.6k 1%  [RES_0402_L]  197 150.45 45 top
R169  1.6k 1%  [RES_0402_L]  196.4 151.05 45 top
R170  47k 1%  [RES_0402_L]  208.8 156.65 180 top
R171  47k 1%  [RES_0402_L]  206.5 161.75 90 top
R172  1.6k 1%  [RES_0402_L]  206.5 163.25 270 top
R173  1.6k 1%  [RES_0402_L]  42.8 9.7 180 top
R174  1.6k 1%  [RES_0402_L]  42.8 7.1 180 top
R175  10k 1%  [RES_0402_L]  52.75 18.5 180 top
R176  4.7k 1%  [RES_0402_L]  25.35 22.85 90 top
R177  4.7k 1%  [RES_0402_L]  8.7 27.85 90 top
R178  1k 1%  [RES_0402_L]  53.1 17.25 270 top
R179  10k 1%  [RES_0402_L]  49.45 18.5 180 top
R180  10k 1%  [RES_0402_L]  51.1 18.49 180 top
R181  4.7k 1%  [RES_0402_L]  25.35 27.85 90 top
R182  4.7k 1%  [RES_0402_L]  8.7 22.8 90 top
R183  10k 1%  [RES_0402_L]  62.9 8.25 90 top
R184  1k 1%  [RES_0402_L]  49.8 17.2 270 top
R185  1k 1%  [RES_0402_L]  51.45 17.24 270 top
R186  1k 1%  [RES_0402_L]  61.65 7.9 180 top
R187  10k 1%  [RES_0402_L]  62.9 6.5 90 top
R188  1k 1%  [RES_0402_L]  61.65 6.15 180 top
R189  200R 1%  [RES_0402_L]  9.6 2.7 0 top
R190  200R 1%  [RES_0402_L]  14.6 2.7 0 top
R191  200R 1%  [RES_0402_L]  19.6 2.7 0 top
R192  200R 1%  [RES_0402_L]  24.6 2.7 0 top
R193  200R 1%  [RES_0402_L]  29.61 2.7 0 top
R194  200R 1%  [RES_0402_L]  34.6 2.7 0 top
R195  200R 1%  [RES_0402_L]  39.6 2.7 0 top
R196  200R 1%  [RES_0402_L]  44.61 2.7 0 top
R197  1.6k 1%  [RES_0402_L]  59.1 53.9 0 bottom
R198  1.6k 1%  [RES_0402_L]  59.1 54.7 0 bottom
R199  1.6k 1%  [RES_0402_L]  59.1 50.7 0 bottom
R200  0R Jumper  [RES_0402_L]  59.1 52.5 0 bottom
R201  0R Jumper  [RES_0402_L]  59.1 51.5 0 bottom
R202  0R Jumper  [RES_0402_L]  59.1 55.5 0 bottom
R203  0R Jumper  [RES_0402_L]  57.6 52.5 0 bottom
R204  0R Jumper  [RES_0402_L]  57.6 51.5 0 bottom
R205  0R Jumper  [RES_0402_L]  57.6 55.5 0 bottom
R206  100R 1%  [RES_0402_L]  57.7 124.2 180 top
R207  1k 1%  [RES_0402]  114.3 177.2 90 top
R208  1.6k 1%  [RES_0402_L]  54.4 118.6 180 top
R209  1.6k 1%  [RES_0402_L]  54.4 119.4 180 top
R210  110R 1%  [RES_0402]  115.4 177.2 270 top
R211  4.7k 1%  [RES_0402_L]  54.41 120.2 0 top
R212  4.7k 1%  [RES_0402_L]  107.16 245.1 180 top
R213  0R Jumper  [RES_0402]  64.45 235.75 0 top
R214  30.1k 1%  [RES_0402]  57.15 237.1 90 top
R215  45.3k 1%  [RES_0402]  57.85 240.35 0 top
R216  10R 1%  [RES_0402]  59.9 241.25 0 top
R217  10k 1%  [RES_0402]  57.95 238.55 180 top
R218  6.04k 1%  [RES_0402]  61.8 238.55 180 top
R219  0R Jumper  [RES_0402]  60.5 239 270 top
R220  0R Jumper  [RES_0402]  61.35 239.85 270 top
R221  0R Jumper  [RES_0402]  149.95 235.75 0 top
R222  30.1k 1%  [RES_0402]  142.65 237.1 90 top
R223  10k 1%  [RES_0402]  143.35 240.35 0 top
R224  10R 1%  [RES_0402]  145.4 241.25 0 top
R225  10k 1%  [RES_0402]  143.5 238.55 180 top
R226  6.04k 1%  [RES_0402]  147.3 238.55 180 top
R227  0R Jumper  [RES_0402]  146 239 270 top
R228  10k 1%  [RES_0402_L]  57.85 241.45 180 top
R229  4.7k 1%  [RES_0402_L]  57.85 242.35 0 top
R230  49.9R 1%  [RES_0402_L]  58.5 124.95 180 top
R231  49.9R 1%  [RES_0402_L]  56.9 124.95 0 top
R232  0R Jumper  [RES_0402]  121.45 172.15 0 top
R233  0R Jumper  [RES_0402]  146.85 239.85 270 top
R234  0R Jumper  [RES_0402]  78.7 203.95 0 top
R235  30.1k 1%  [RES_0402]  71.4 205.3 90 top
R236  10k 1%  [RES_0402]  72.1 208.55 0 top
R237  10R 1%  [RES_0402]  74.15 209.45 0 top
R238  10k 1%  [RES_0402]  72.25 206.75 180 top
R239  6.04k 1%  [RES_0402]  76.05 206.75 180 top
R240  0R Jumper  [RES_0402]  74.75 207.2 270 top
R241  0R Jumper  [RES_0402]  75.6 208.05 270 top
R242  0R Jumper  [RES_0402]  92.95 235.75 0 top
R243  30.1k 1%  [RES_0402]  85.65 237.1 90 top
R244  6.65k 1%  [RES_0402]  86.35 240.35 0 top
R245  10R 1%  [RES_0402]  88.4 241.25 0 top
R246  10k 1%  [RES_0402]  86.5 238.55 180 top
R247  6.04k 1%  [RES_0402]  90.3 238.55 180 top
R248  0R Jumper  [RES_0402]  89 239 270 top
R249  0R Jumper  [RES_0402]  89.85 239.85 270 top
R250  0R Jumper  [RES_0402]  107.2 203.95 0 top
R251  30.1k 1%  [RES_0402]  99.9 205.3 90 top
R252  3.32k 1%  [RES_0402]  100.6 208.55 0 top
R253  10R 1%  [RES_0402]  102.65 209.45 0 top
